# Altium PCB 滑板车模块 - 拼板.PcbDoc (part 5 of 8)
Units mm, origin at the board's own origin, x right, y up, seen from the top; angles counter-clockwise.
Board outline 16 x 13 mm, 2 copper layers (Top Layer, Bottom Layer); 420 components, 26 nets, 2088 pads, 620 vias.
Unrouted connection lines stored in the file: 114.
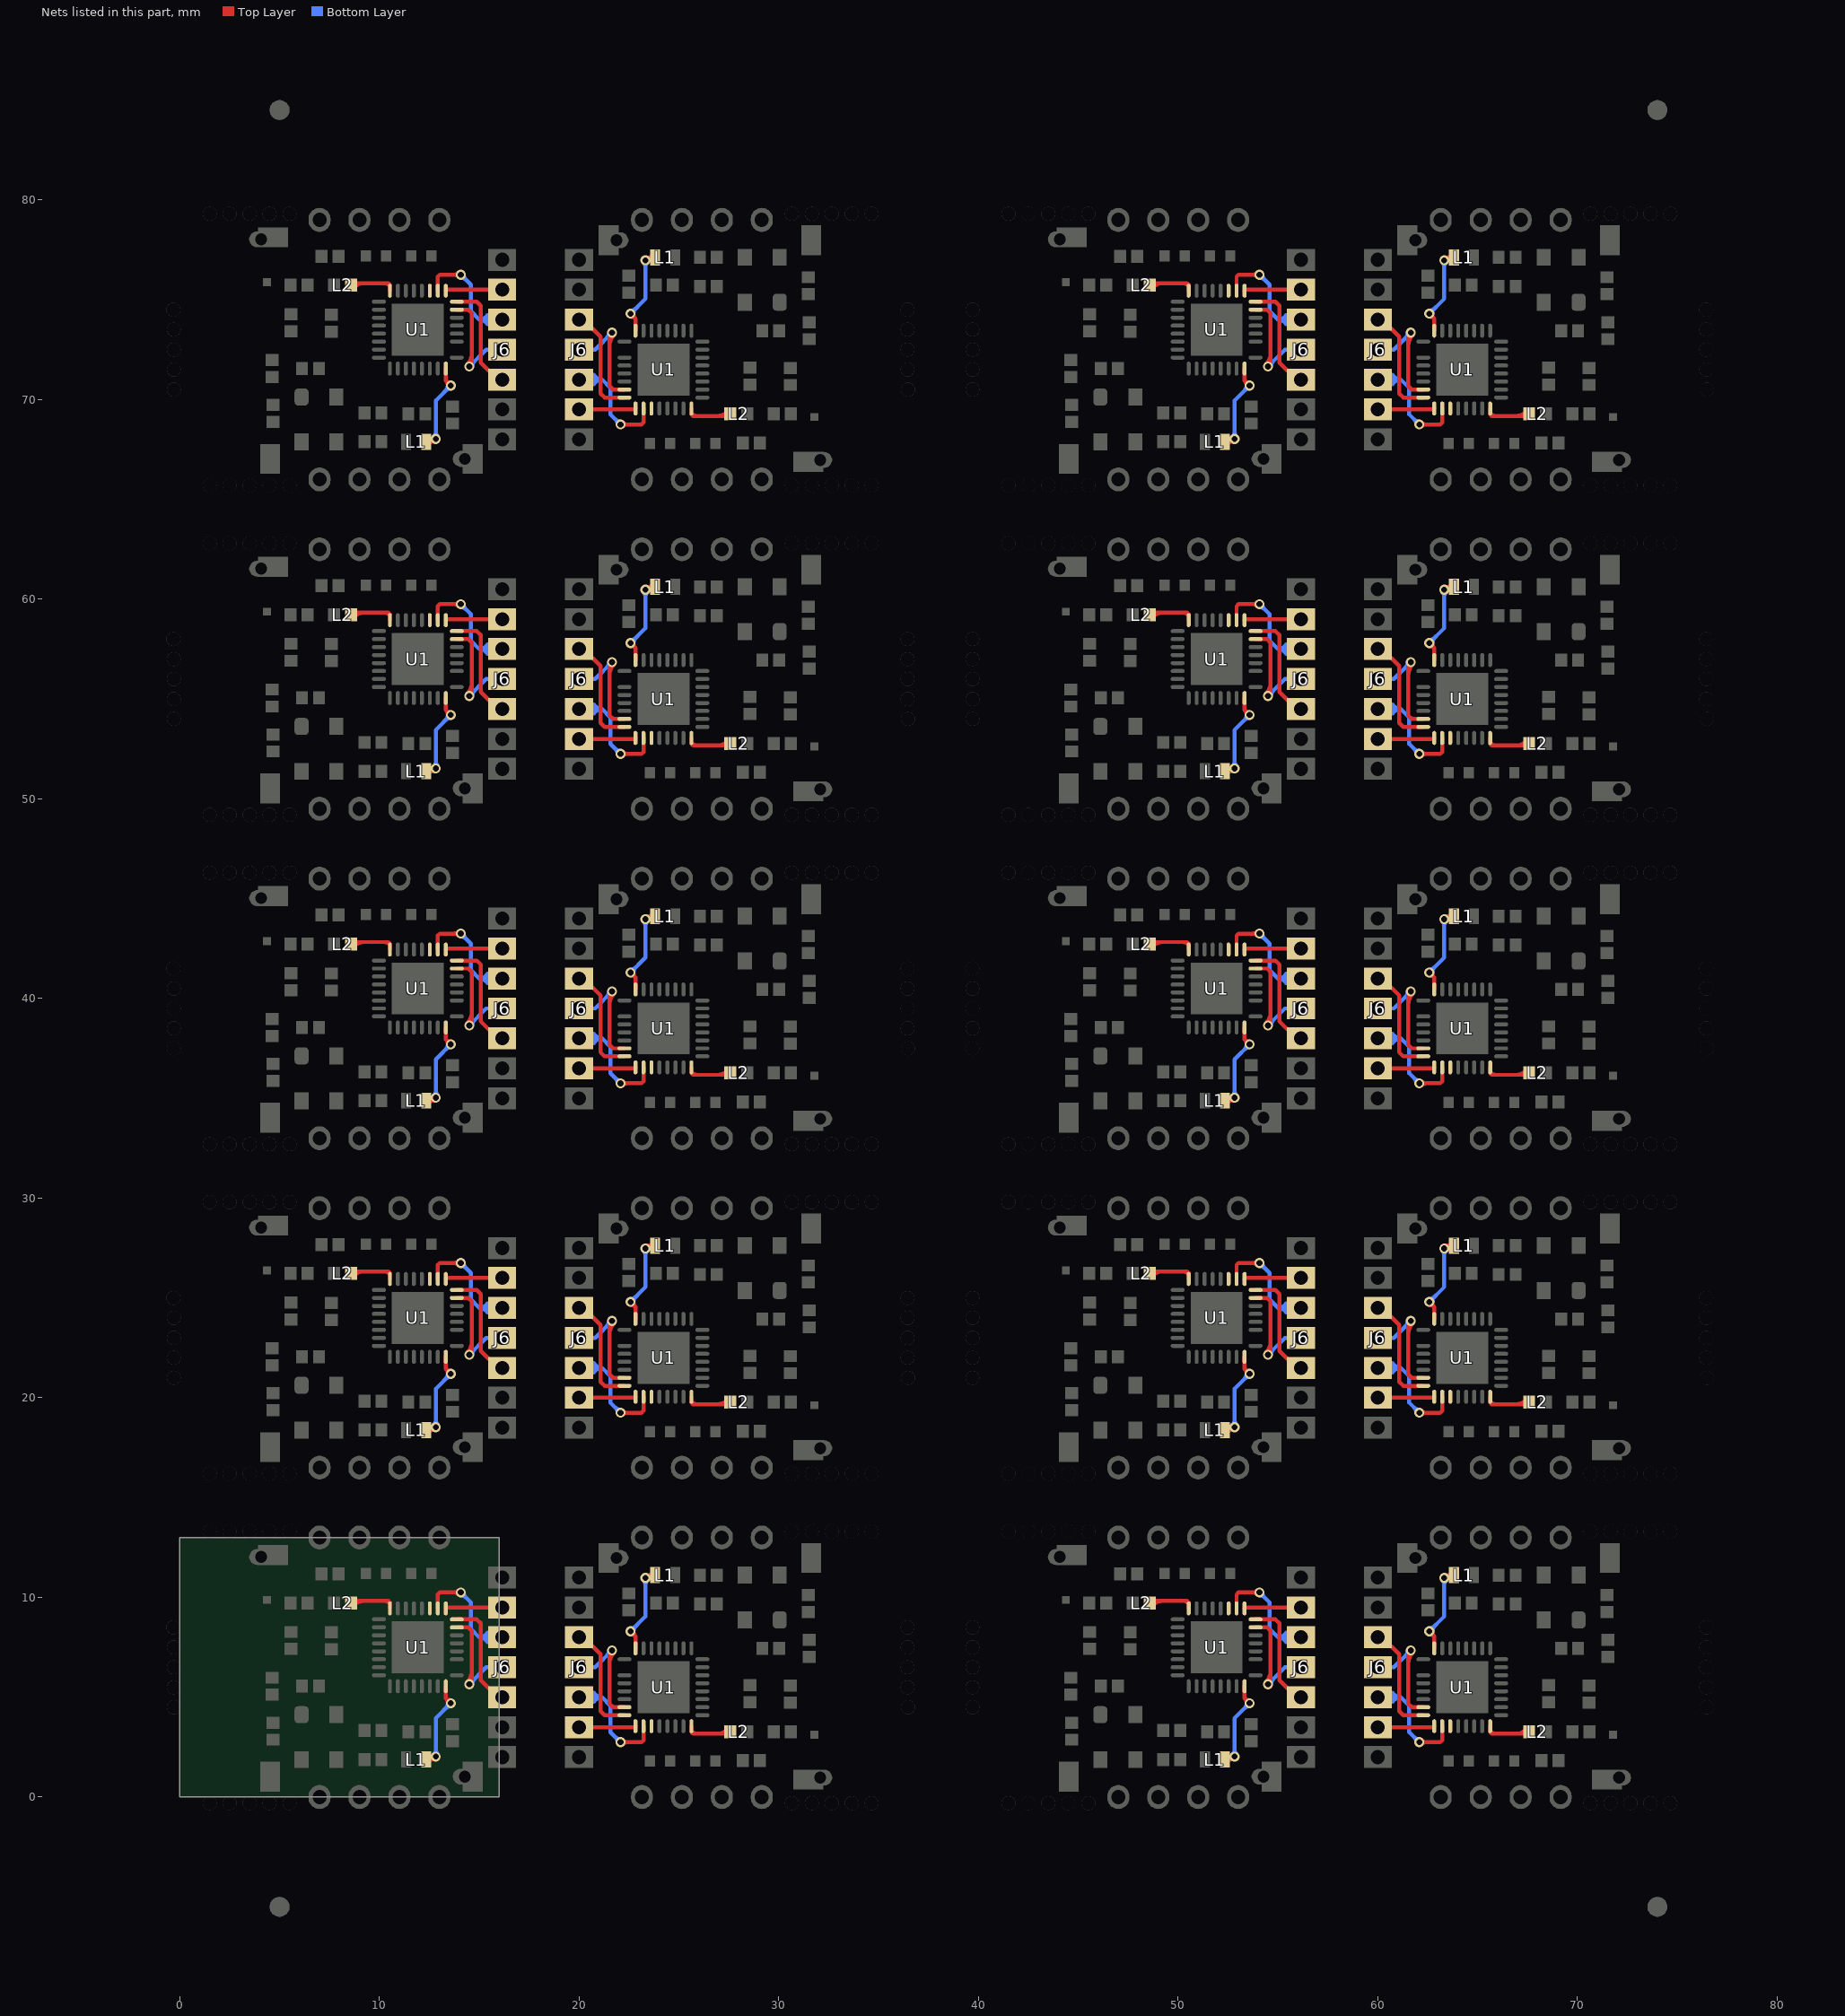
[diagram p5: the nets of this part, all layers, seen from the top]

## Via types
v1: diameter 0.5, hole 0.3, Top Layer to Bottom Layer, tented both sides, 620 vias

## Nets (pads, with @x,y where several pads share a name; then routed paths per layer and width w, separated by ;. In a path a pad name is that pad's centre, name@x,y a point inside that pad or via, vN(x,y) a via of type N, cw(c..) or ccw(c..) an arc to the next point about the centre after c; other vN are vias at no path point) (continued)
NetL1_1: L1.1 U1.24 | length 142.5
  Top Layer w0.2: L1.1@12.45,1.783 cw(c12.685,1.564) v1@12.685,1.885 ; L1.1@12.45,1.987 ccw(c12.685,2.207) v1@12.685,1.885 ; L1.1@12.45,18.283 cw(c12.685,18.064) v1@12.685,18.385 ; L1.1@12.45,18.487 ccw(c12.685,18.707) v1@12.685,18.385 ; L1.1@12.45,34.783 cw(c12.685,34.564) v1@12.685,34.885 ; L1.1@12.45,34.987 ccw(c12.685,35.207) v1@12.685,34.885 ; L1.1@12.45,51.283 cw(c12.685,51.064) v1@12.685,51.385 ; L1.1@12.45,51.487 ccw(c12.685,51.707) v1@12.685,51.385 ; L1.1@12.45,67.783 cw(c12.685,67.564) v1@12.685,67.885 ; L1.1@12.45,67.987 ccw(c12.685,68.207) v1@12.685,67.885 ; v1@12.693,2.096 cw(c12.34,2.285) L1.1@12.34,1.885 v1@12.685,1.885 ; v1@12.693,18.596 cw(c12.34,18.785) L1.1@12.34,18.385 v1@12.685,18.385 ; v1@12.693,35.096 cw(c12.34,35.285) L1.1@12.34,34.885 v1@12.685,34.885 ; v1@12.693,51.596 cw(c12.34,51.785) L1.1@12.34,51.385 v1@12.685,51.385 ; v1@12.693,68.096 cw(c12.34,68.285) L1.1@12.34,67.885 v1@12.685,67.885 ; v1(12.825,2.025) v1@12.685,1.885 ; v1(12.825,18.525) v1@12.685,18.385 ; v1(12.825,35.025) v1@12.685,34.885 ; v1(12.825,51.525) v1@12.685,51.385 ; v1(12.825,68.025) v1@12.685,67.885 ; U1.24@13.325,5.55 13.325,4.95 ; U1.24@13.325,22.05 13.325,21.45 ; U1.24@13.325,38.55 13.325,37.95 ; U1.24@13.325,55.05 13.325,54.45 ; U1.24@13.325,71.55 13.325,70.95 ; v1@13.425,4.703 ccw(c13.083,4.708) 13.325,4.95 ; v1@13.425,21.203 ccw(c13.083,21.208) 13.325,21.45 ; v1@13.425,37.703 ccw(c13.083,37.708) 13.325,37.95 ; v1@13.425,54.203 ccw(c13.083,54.208) 13.325,54.45 ; v1@13.425,70.703 ccw(c13.083,70.708) 13.325,70.95 ; v1@13.572,4.85 cw(c13.567,5.192) 13.325,4.95 ; v1@13.572,21.35 cw(c13.567,21.692) 13.325,21.45 ; v1@13.572,37.85 cw(c13.567,38.192) 13.325,37.95 ; v1@13.572,54.35 cw(c13.567,54.692) 13.325,54.45 ; v1@13.572,70.85 cw(c13.567,71.192) 13.325,70.95 ; v1(13.575,4.7) 13.325,4.95 ; v1(13.575,21.2) 13.325,21.45 ; v1(13.575,37.7) 13.325,37.95 ; v1(13.575,54.2) 13.325,54.45 ; v1(13.575,70.7) 13.325,70.95 ; v1(22.575,8.3) 22.825,8.05 ; v1(22.575,24.8) 22.825,24.55 ; v1(22.575,41.3) 22.825,41.05 ; v1(22.575,57.8) 22.825,57.55 ; v1(22.575,74.3) 22.825,74.05 ; v1@22.578,8.15 cw(c22.583,7.808) 22.825,8.05 ; v1@22.578,24.65 cw(c22.583,24.308) 22.825,24.55 ; v1@22.578,41.15 cw(c22.583,40.808) 22.825,41.05 ; v1@22.578,57.65 cw(c22.583,57.308) 22.825,57.55 ; v1@22.578,74.15 cw(c22.583,73.808) 22.825,74.05 ; v1@22.725,8.297 ccw(c23.067,8.292) 22.825,8.05 ; v1@22.725,24.797 ccw(c23.067,24.792) 22.825,24.55 ; v1@22.725,41.297 ccw(c23.067,41.292) 22.825,41.05 ; v1@22.725,57.797 ccw(c23.067,57.792) 22.825,57.55 ; v1@22.725,74.297 ccw(c23.067,74.292) 22.825,74.05 ; U1.24@22.825,7.45 22.825,8.05 ; U1.24@22.825,23.95 22.825,24.55 ; U1.24@22.825,40.45 22.825,41.05 ; U1.24@22.825,56.95 22.825,57.55 ; U1.24@22.825,73.45 22.825,74.05 ; v1(23.325,10.975) v1@23.465,11.115 ; v1(23.325,27.475) v1@23.465,27.615 ; v1(23.325,43.975) v1@23.465,44.115 ; v1(23.325,60.475) v1@23.465,60.615 ; v1(23.325,76.975) v1@23.465,77.115 ; v1@23.457,10.904 cw(c23.81,10.715) L1.1@23.81,11.115 v1@23.465,11.115 ; v1@23.457,27.404 cw(c23.81,27.215) L1.1@23.81,27.615 v1@23.465,27.615 ; v1@23.457,43.904 cw(c23.81,43.715) L1.1@23.81,44.115 v1@23.465,44.115 ; v1@23.457,60.404 cw(c23.81,60.215) L1.1@23.81,60.615 v1@23.465,60.615 ; v1@23.457,76.904 cw(c23.81,76.715) L1.1@23.81,77.115 v1@23.465,77.115 ; L1.1@23.7,11.013 ccw(c23.465,10.793) v1@23.465,11.115 ; L1.1@23.7,11.217 cw(c23.465,11.436) v1@23.465,11.115 ; L1.1@23.7,27.513 ccw(c23.465,27.293) v1@23.465,27.615 ; L1.1@23.7,27.717 cw(c23.465,27.936) v1@23.465,27.615 ; L1.1@23.7,44.013 ccw(c23.465,43.793) v1@23.465,44.115 ; L1.1@23.7,44.217 cw(c23.465,44.436) v1@23.465,44.115 ; L1.1@23.7,60.513 ccw(c23.465,60.293) v1@23.465,60.615 ; L1.1@23.7,60.717 cw(c23.465,60.936) v1@23.465,60.615 ; L1.1@23.7,77.013 ccw(c23.465,76.793) v1@23.465,77.115 ; L1.1@23.7,77.217 cw(c23.465,77.436) v1@23.465,77.115 ; L1.1@52.45,1.783 cw(c52.685,1.564) v1@52.685,1.885 ; L1.1@52.45,1.987 ccw(c52.685,2.207) v1@52.685,1.885 ; L1.1@52.45,18.283 cw(c52.685,18.064) v1@52.685,18.385 ; L1.1@52.45,18.487 ccw(c52.685,18.707) v1@52.685,18.385 ; L1.1@52.45,34.783 cw(c52.685,34.564) v1@52.685,34.885 ; L1.1@52.45,34.987 ccw(c52.685,35.207) v1@52.685,34.885 ; L1.1@52.45,51.283 cw(c52.685,51.064) v1@52.685,51.385 ; L1.1@52.45,51.487 ccw(c52.685,51.707) v1@52.685,51.385 ; L1.1@52.45,67.783 cw(c52.685,67.564) v1@52.685,67.885 ; L1.1@52.45,67.987 ccw(c52.685,68.207) v1@52.685,67.885 ; v1@52.693,2.096 cw(c52.34,2.285) L1.1@52.34,1.885 v1@52.685,1.885 ; v1@52.693,18.596 cw(c52.34,18.785) L1.1@52.34,18.385 v1@52.685,18.385 ; v1@52.693,35.096 cw(c52.34,35.285) L1.1@52.34,34.885 v1@52.685,34.885 ; v1@52.693,51.596 cw(c52.34,51.785) L1.1@52.34,51.385 v1@52.685,51.385 ; v1@52.693,68.096 cw(c52.34,68.285) L1.1@52.34,67.885 v1@52.685,67.885 ; v1(52.825,2.025) v1@52.685,1.885 ; v1(52.825,18.525) v1@52.685,18.385 ; v1(52.825,35.025) v1@52.685,34.885 ; v1(52.825,51.525) v1@52.685,51.385 ; v1(52.825,68.025) v1@52.685,67.885 ; U1.24@53.325,5.55 53.325,4.95 ; U1.24@53.325,22.05 53.325,21.45 ; U1.24@53.325,38.55 53.325,37.95 ; U1.24@53.325,55.05 53.325,54.45 ; U1.24@53.325,71.55 53.325,70.95 ; v1@53.425,4.703 ccw(c53.083,4.708) 53.325,4.95 ; v1@53.425,21.203 ccw(c53.083,21.208) 53.325,21.45 ; v1@53.425,37.703 ccw(c53.083,37.708) 53.325,37.95 ; v1@53.425,54.203 ccw(c53.083,54.208) 53.325,54.45 ; v1@53.425,70.703 ccw(c53.083,70.708) 53.325,70.95 ; v1@53.572,4.85 cw(c53.567,5.192) 53.325,4.95 ; v1@53.572,21.35 cw(c53.567,21.692) 53.325,21.45 ; v1@53.572,37.85 cw(c53.567,38.192) 53.325,37.95 ; v1@53.572,54.35 cw(c53.567,54.692) 53.325,54.45 ; v1@53.572,70.85 cw(c53.567,71.192) 53.325,70.95 ; v1(53.575,4.7) 53.325,4.95 ; v1(53.575,21.2) 53.325,21.45 ; v1(53.575,37.7) 53.325,37.95 ; v1(53.575,54.2) 53.325,54.45 ; v1(53.575,70.7) 53.325,70.95 ; v1(62.575,8.3) 62.825,8.05 ; v1(62.575,24.8) 62.825,24.55 ; v1(62.575,41.3) 62.825,41.05 ; v1(62.575,57.8) 62.825,57.55 ; v1(62.575,74.3) 62.825,74.05 ; v1@62.578,8.15 cw(c62.583,7.808) 62.825,8.05 ; v1@62.578,24.65 cw(c62.583,24.308) 62.825,24.55 ; v1@62.578,41.15 cw(c62.583,40.808) 62.825,41.05 ; v1@62.578,57.65 cw(c62.583,57.308) 62.825,57.55 ; v1@62.578,74.15 cw(c62.583,73.808) 62.825,74.05 ; v1@62.725,8.297 ccw(c63.067,8.292) 62.825,8.05 ; v1@62.725,24.797 ccw(c63.067,24.792) 62.825,24.55 ; v1@62.725,41.297 ccw(c63.067,41.292) 62.825,41.05 ; v1@62.725,57.797 ccw(c63.067,57.792) 62.825,57.55 ; v1@62.725,74.297 ccw(c63.067,74.292) 62.825,74.05 ; U1.24@62.825,7.45 62.825,8.05 ; U1.24@62.825,23.95 62.825,24.55 ; U1.24@62.825,40.45 62.825,41.05 ; U1.24@62.825,56.95 62.825,57.55 ; U1.24@62.825,73.45 62.825,74.05 ; v1(63.325,10.975) v1@63.465,11.115 ; v1(63.325,27.475) v1@63.465,27.615 ; v1(63.325,43.975) v1@63.465,44.115 ; v1(63.325,60.475) v1@63.465,60.615 ; v1(63.325,76.975) v1@63.465,77.115 ; v1@63.457,10.904 cw(c63.81,10.715) L1.1@63.81,11.115 v1@63.465,11.115 ; v1@63.457,27.404 cw(c63.81,27.215) L1.1@63.81,27.615 v1@63.465,27.615 ; v1@63.457,43.904 cw(c63.81,43.715) L1.1@63.81,44.115 v1@63.465,44.115 ; v1@63.457,60.404 cw(c63.81,60.215) L1.1@63.81,60.615 v1@63.465,60.615 ; v1@63.457,76.904 cw(c63.81,76.715) L1.1@63.81,77.115 v1@63.465,77.115 ; L1.1@63.7,11.013 ccw(c63.465,10.793) v1@63.465,11.115 ; L1.1@63.7,11.217 cw(c63.465,11.436) v1@63.465,11.115 ; L1.1@63.7,27.513 ccw(c63.465,27.293) v1@63.465,27.615 ; L1.1@63.7,27.717 cw(c63.465,27.936) v1@63.465,27.615 ; L1.1@63.7,44.013 ccw(c63.465,43.793) v1@63.465,44.115 ; L1.1@63.7,44.217 cw(c63.465,44.436) v1@63.465,44.115 ; L1.1@63.7,60.513 ccw(c63.465,60.293) v1@63.465,60.615 ; L1.1@63.7,60.717 cw(c63.465,60.936) v1@63.465,60.615 ; L1.1@63.7,77.013 ccw(c63.465,76.793) v1@63.465,77.115 ; L1.1@63.7,77.217 cw(c63.465,77.436) v1@63.465,77.115
  Bottom Layer w0.2: v1@12.719,2.131 ccw(c12.463,2.387) 12.825,2.387 ccw(c13.187,2.387) v1@12.931,2.131 ; v1@12.719,18.631 ccw(c12.463,18.887) 12.825,18.887 ccw(c13.187,18.887) v1@12.931,18.631 ; v1@12.719,35.131 ccw(c12.463,35.387) 12.825,35.387 ccw(c13.187,35.387) v1@12.931,35.131 ; v1@12.719,51.631 ccw(c12.463,51.887) 12.825,51.887 ccw(c13.187,51.887) v1@12.931,51.631 ; v1@12.719,68.131 ccw(c12.463,68.387) 12.825,68.387 ccw(c13.187,68.387) v1@12.931,68.131 ; v1(12.825,2.025) 12.825,3.95 v1(13.575,4.7) ; v1(12.825,18.525) 12.825,20.45 v1(13.575,21.2) ; v1(12.825,35.025) 12.825,36.95 v1(13.575,37.7) ; v1(12.825,51.525) 12.825,53.45 v1(13.575,54.2) ; v1(12.825,68.025) 12.825,69.95 v1(13.575,70.7) ; v1@13.425,4.7 cw(c13.063,4.7) 13.319,4.444 cw(c13.575,4.188) v1@13.575,4.55 ; v1@13.425,21.2 cw(c13.063,21.2) 13.319,20.944 cw(c13.575,20.688) v1@13.575,21.05 ; v1@13.425,37.7 cw(c13.063,37.7) 13.319,37.444 cw(c13.575,37.188) v1@13.575,37.55 ; v1@13.425,54.2 cw(c13.063,54.2) 13.319,53.944 cw(c13.575,53.688) v1@13.575,54.05 ; v1@13.425,70.7 cw(c13.063,70.7) 13.319,70.444 cw(c13.575,70.188) v1@13.575,70.55 ; v1(22.575,8.3) 23.325,9.05 v1(23.325,10.975) ; v1@22.575,8.45 ccw(c22.575,8.812) 22.831,8.556 ccw(c23.087,8.3) v1@22.725,8.3 ; v1(22.575,24.8) 23.325,25.55 v1(23.325,27.475) ; v1@22.575,24.95 ccw(c22.575,25.312) 22.831,25.056 ccw(c23.087,24.8) v1@22.725,24.8 ; v1(22.575,41.3) 23.325,42.05 v1(23.325,43.975) ; v1@22.575,41.45 ccw(c22.575,41.812) 22.831,41.556 ccw(c23.087,41.3) v1@22.725,41.3 ; v1(22.575,57.8) 23.325,58.55 v1(23.325,60.475) ; v1@22.575,57.95 ccw(c22.575,58.312) 22.831,58.056 ccw(c23.087,57.8) v1@22.725,57.8 ; v1(22.575,74.3) 23.325,75.05 v1(23.325,76.975) ; v1@22.575,74.45 ccw(c22.575,74.812) 22.831,74.556 ccw(c23.087,74.3) v1@22.725,74.3 ; v1@23.219,10.869 cw(c22.963,10.613) 23.325,10.613 cw(c23.687,10.613) v1@23.431,10.869 ; v1@23.219,27.369 cw(c22.963,27.113) 23.325,27.113 cw(c23.687,27.113) v1@23.431,27.369 ; v1@23.219,43.869 cw(c22.963,43.613) 23.325,43.613 cw(c23.687,43.613) v1@23.431,43.869 ; v1@23.219,60.369 cw(c22.963,60.113) 23.325,60.113 cw(c23.687,60.113) v1@23.431,60.369 ; v1@23.219,76.869 cw(c22.963,76.613) 23.325,76.613 cw(c23.687,76.613) v1@23.431,76.869 ; v1@52.719,2.131 ccw(c52.463,2.387) 52.825,2.387 ccw(c53.187,2.387) v1@52.931,2.131 ; v1@52.719,18.631 ccw(c52.463,18.887) 52.825,18.887 ccw(c53.187,18.887) v1@52.931,18.631 ; v1@52.719,35.131 ccw(c52.463,35.387) 52.825,35.387 ccw(c53.187,35.387) v1@52.931,35.131 ; v1@52.719,51.631 ccw(c52.463,51.887) 52.825,51.887 ccw(c53.187,51.887) v1@52.931,51.631 ; v1@52.719,68.131 ccw(c52.463,68.387) 52.825,68.387 ccw(c53.187,68.387) v1@52.931,68.131 ; v1(52.825,2.025) 52.825,3.95 v1(53.575,4.7) ; v1(52.825,18.525) 52.825,20.45 v1(53.575,21.2) ; v1(52.825,35.025) 52.825,36.95 v1(53.575,37.7) ; v1(52.825,51.525) 52.825,53.45 v1(53.575,54.2) ; v1(52.825,68.025) 52.825,69.95 v1(53.575,70.7) ; v1@53.425,4.7 cw(c53.063,4.7) 53.319,4.444 cw(c53.575,4.188) v1@53.575,4.55 ; v1@53.425,21.2 cw(c53.063,21.2) 53.319,20.944 cw(c53.575,20.688) v1@53.575,21.05 ; v1@53.425,37.7 cw(c53.063,37.7) 53.319,37.444 cw(c53.575,37.188) v1@53.575,37.55 ; v1@53.425,54.2 cw(c53.063,54.2) 53.319,53.944 cw(c53.575,53.688) v1@53.575,54.05 ; v1@53.425,70.7 cw(c53.063,70.7) 53.319,70.444 cw(c53.575,70.188) v1@53.575,70.55 ; v1(62.575,8.3) 63.325,9.05 v1(63.325,10.975) ; v1@62.575,8.45 ccw(c62.575,8.812) 62.831,8.556 ccw(c63.087,8.3) v1@62.725,8.3 ; v1(62.575,24.8) 63.325,25.55 v1(63.325,27.475) ; v1@62.575,24.95 ccw(c62.575,25.312) 62.831,25.056 ccw(c63.087,24.8) v1@62.725,24.8 ; v1(62.575,41.3) 63.325,42.05 v1(63.325,43.975) ; v1@62.575,41.45 ccw(c62.575,41.812) 62.831,41.556 ccw(c63.087,41.3) v1@62.725,41.3 ; v1(62.575,57.8) 63.325,58.55 v1(63.325,60.475) ; v1@62.575,57.95 ccw(c62.575,58.312) 62.831,58.056 ccw(c63.087,57.8) v1@62.725,57.8 ; v1(62.575,74.3) 63.325,75.05 v1(63.325,76.975) ; v1@62.575,74.45 ccw(c62.575,74.812) 62.831,74.556 ccw(c63.087,74.3) v1@62.725,74.3 ; v1@63.219,10.869 cw(c62.963,10.613) 63.325,10.613 cw(c63.687,10.613) v1@63.431,10.869 ; v1@63.219,27.369 cw(c62.963,27.113) 63.325,27.113 cw(c63.687,27.113) v1@63.431,27.369 ; v1@63.219,43.869 cw(c62.963,43.613) 63.325,43.613 cw(c63.687,43.613) v1@63.431,43.869 ; v1@63.219,60.369 cw(c62.963,60.113) 63.325,60.113 cw(c63.687,60.113) v1@63.431,60.369 ; v1@63.219,76.869 cw(c62.963,76.613) 63.325,76.613 cw(c63.687,76.613) v1@63.431,76.869
NetL2_2: L2.2 U1.8 | length 68.3
  Top Layer w0.2: L2.2@8.575,9.725 8.675,9.825 10.45,9.825 10.525,9.75 U1.8@10.525,9.45 ; L2.2@8.575,26.225 8.675,26.325 10.45,26.325 10.525,26.25 U1.8@10.525,25.95 ; L2.2@8.575,42.725 8.675,42.825 10.45,42.825 10.525,42.75 U1.8@10.525,42.45 ; L2.2@8.575,59.225 8.675,59.325 10.45,59.325 10.525,59.25 U1.8@10.525,58.95 ; L2.2@8.575,75.725 8.675,75.825 10.45,75.825 10.525,75.75 U1.8@10.525,75.45 ; L2.2@8.716,9.609 cw(c9.239,9.086) 9.239,9.825 ; L2.2@8.716,9.891 ccw(c8.877,10.052) 8.877,9.825 ; L2.2@8.716,26.109 cw(c9.239,25.586) 9.239,26.325 ; L2.2@8.716,26.391 ccw(c8.877,26.552) 8.877,26.325 ; L2.2@8.716,42.609 cw(c9.239,42.086) 9.239,42.825 ; L2.2@8.716,42.891 ccw(c8.877,43.052) 8.877,42.825 ; L2.2@8.716,59.109 cw(c9.239,58.586) 9.239,59.325 ; L2.2@8.716,59.391 ccw(c8.877,59.552) 8.877,59.325 ; L2.2@8.716,75.609 cw(c9.239,75.086) 9.239,75.825 ; L2.2@8.716,75.891 ccw(c8.877,76.052) 8.877,75.825 ; 10.223,9.825 cw(c10.223,9.398) U1.8@10.525,9.7 ; 10.223,26.325 cw(c10.223,25.898) U1.8@10.525,26.2 ; 10.223,42.825 cw(c10.223,42.398) U1.8@10.525,42.7 ; 10.223,59.325 cw(c10.223,58.898) U1.8@10.525,59.2 ; 10.223,75.825 cw(c10.223,75.398) U1.8@10.525,75.7 ; U1.8@25.625,3.3 ccw(c25.927,3.602) 25.927,3.175 ; U1.8@25.625,3.55 25.625,3.25 25.7,3.175 27.475,3.175 L2.2@27.575,3.275 ; U1.8@25.625,19.8 ccw(c25.927,20.102) 25.927,19.675 ; U1.8@25.625,20.05 25.625,19.75 25.7,19.675 27.475,19.675 L2.2@27.575,19.775 ; U1.8@25.625,36.3 ccw(c25.927,36.602) 25.927,36.175 ; U1.8@25.625,36.55 25.625,36.25 25.7,36.175 27.475,36.175 L2.2@27.575,36.275 ; U1.8@25.625,52.8 ccw(c25.927,53.102) 25.927,52.675 ; U1.8@25.625,53.05 25.625,52.75 25.7,52.675 27.475,52.675 L2.2@27.575,52.775 ; U1.8@25.625,69.3 ccw(c25.927,69.602) 25.927,69.175 ; U1.8@25.625,69.55 25.625,69.25 25.7,69.175 27.475,69.175 L2.2@27.575,69.275 ; 26.911,3.175 ccw(c26.911,3.914) L2.2@27.434,3.391 ; 26.911,19.675 ccw(c26.911,20.414) L2.2@27.434,19.891 ; 26.911,36.175 ccw(c26.911,36.914) L2.2@27.434,36.391 ; 26.911,52.675 ccw(c26.911,53.414) L2.2@27.434,52.891 ; 26.911,69.175 ccw(c26.911,69.914) L2.2@27.434,69.391 ; 27.273,3.175 cw(c27.273,2.948) L2.2@27.434,3.109 ; 27.273,19.675 cw(c27.273,19.448) L2.2@27.434,19.609 ; 27.273,36.175 cw(c27.273,35.948) L2.2@27.434,36.109 ; 27.273,52.675 cw(c27.273,52.448) L2.2@27.434,52.609 ; 27.273,69.175 cw(c27.273,68.948) L2.2@27.434,69.109 ; L2.2@48.575,9.725 48.675,9.825 50.45,9.825 50.525,9.75 U1.8@50.525,9.45 ; L2.2@48.575,26.225 48.675,26.325 50.45,26.325 50.525,26.25 U1.8@50.525,25.95 ; L2.2@48.575,42.725 48.675,42.825 50.45,42.825 50.525,42.75 U1.8@50.525,42.45 ; L2.2@48.575,59.225 48.675,59.325 50.45,59.325 50.525,59.25 U1.8@50.525,58.95 ; L2.2@48.575,75.725 48.675,75.825 50.45,75.825 50.525,75.75 U1.8@50.525,75.45 ; L2.2@48.716,9.609 cw(c49.239,9.086) 49.239,9.825 ; L2.2@48.716,9.891 ccw(c48.877,10.052) 48.877,9.825 ; L2.2@48.716,26.109 cw(c49.239,25.586) 49.239,26.325 ; L2.2@48.716,26.391 ccw(c48.877,26.552) 48.877,26.325 ; L2.2@48.716,42.609 cw(c49.239,42.086) 49.239,42.825 ; L2.2@48.716,42.891 ccw(c48.877,43.052) 48.877,42.825 ; L2.2@48.716,59.109 cw(c49.239,58.586) 49.239,59.325 ; L2.2@48.716,59.391 ccw(c48.877,59.552) 48.877,59.325 ; L2.2@48.716,75.609 cw(c49.239,75.086) 49.239,75.825 ; L2.2@48.716,75.891 ccw(c48.877,76.052) 48.877,75.825 ; 50.223,9.825 cw(c50.223,9.398) U1.8@50.525,9.7 ; 50.223,26.325 cw(c50.223,25.898) U1.8@50.525,26.2 ; 50.223,42.825 cw(c50.223,42.398) U1.8@50.525,42.7 ; 50.223,59.325 cw(c50.223,58.898) U1.8@50.525,59.2 ; 50.223,75.825 cw(c50.223,75.398) U1.8@50.525,75.7 ; U1.8@65.625,3.3 ccw(c65.927,3.602) 65.927,3.175 ; U1.8@65.625,3.55 65.625,3.25 65.7,3.175 67.475,3.175 L2.2@67.575,3.275 ; U1.8@65.625,19.8 ccw(c65.927,20.102) 65.927,19.675 ; U1.8@65.625,20.05 65.625,19.75 65.7,19.675 67.475,19.675 L2.2@67.575,19.775 ; U1.8@65.625,36.3 ccw(c65.927,36.602) 65.927,36.175 ; U1.8@65.625,36.55 65.625,36.25 65.7,36.175 67.475,36.175 L2.2@67.575,36.275 ; U1.8@65.625,52.8 ccw(c65.927,53.102) 65.927,52.675 ; U1.8@65.625,53.05 65.625,52.75 65.7,52.675 67.475,52.675 L2.2@67.575,52.775 ; U1.8@65.625,69.3 ccw(c65.927,69.602) 65.927,69.175 ; U1.8@65.625,69.55 65.625,69.25 65.7,69.175 67.475,69.175 L2.2@67.575,69.275 ; 66.911,3.175 ccw(c66.911,3.914) L2.2@67.434,3.391 ; 66.911,19.675 ccw(c66.911,20.414) L2.2@67.434,19.891 ; 66.911,36.175 ccw(c66.911,36.914) L2.2@67.434,36.391 ; 66.911,52.675 ccw(c66.911,53.414) L2.2@67.434,52.891 ; 66.911,69.175 ccw(c66.911,69.914) L2.2@67.434,69.391 ; 67.273,3.175 cw(c67.273,2.948) L2.2@67.434,3.109 ; 67.273,19.675 cw(c67.273,19.448) L2.2@67.434,19.609 ; 67.273,36.175 cw(c67.273,35.948) L2.2@67.434,36.109 ; 67.273,52.675 cw(c67.273,52.448) L2.2@67.434,52.609 ; 67.273,69.175 cw(c67.273,68.948) L2.2@67.434,69.109
P03: U1.3
P04: J6.3 U1.2 | length 156.2
  Top Layer w0.2: U1.2@12.925,9.45 12.925,10.15 13.025,10.25 v1(14.075,10.25) ; U1.2@12.925,25.95 12.925,26.65 13.025,26.75 v1(14.075,26.75) ; U1.2@12.925,42.45 12.925,43.15 13.025,43.25 v1(14.075,43.25) ; U1.2@12.925,58.95 12.925,59.65 13.025,59.75 v1(14.075,59.75) ; U1.2@12.925,75.45 12.925,76.15 13.025,76.25 v1(14.075,76.25) ; v1@13.969,10.144 ccw(c13.713,9.888) 13.713,10.25 ccw(c13.713,10.612) v1@13.969,10.356 ; v1@13.969,26.644 ccw(c13.713,26.388) 13.713,26.75 ccw(c13.713,27.112) v1@13.969,26.856 ; v1@13.969,43.144 ccw(c13.713,42.888) 13.713,43.25 ccw(c13.713,43.612) v1@13.969,43.356 ; v1@13.969,59.644 ccw(c13.713,59.388) 13.713,59.75 ccw(c13.713,60.112) v1@13.969,59.856 ; v1@13.969,76.144 ccw(c13.713,75.888) 13.713,76.25 ccw(c13.713,76.612) v1@13.969,76.356 ; v1(22.075,2.75) 23.125,2.75 23.225,2.85 U1.2@23.225,3.55 ; v1(22.075,19.25) 23.125,19.25 23.225,19.35 U1.2@23.225,20.05 ; v1(22.075,35.75) 23.125,35.75 23.225,35.85 U1.2@23.225,36.55 ; v1(22.075,52.25) 23.125,52.25 23.225,52.35 U1.2@23.225,53.05 ; v1(22.075,68.75) 23.125,68.75 23.225,68.85 U1.2@23.225,69.55 ; v1@22.181,2.644 cw(c22.437,2.388) 22.437,2.75 cw(c22.437,3.112) v1@22.181,2.856 ; v1@22.181,19.144 cw(c22.437,18.888) 22.437,19.25 cw(c22.437,19.612) v1@22.181,19.356 ; v1@22.181,35.644 cw(c22.437,35.388) 22.437,35.75 cw(c22.437,36.112) v1@22.181,35.856 ; v1@22.181,52.144 cw(c22.437,51.888) 22.437,52.25 cw(c22.437,52.612) v1@22.181,52.356 ; v1@22.181,68.644 cw(c22.437,68.388) 22.437,68.75 cw(c22.437,69.112) v1@22.181,68.856 ; U1.2@52.925,9.45 52.925,10.15 53.025,10.25 v1(54.075,10.25) ; U1.2@52.925,25.95 52.925,26.65 53.025,26.75 v1(54.075,26.75) ; U1.2@52.925,42.45 52.925,43.15 53.025,43.25 v1(54.075,43.25) ; U1.2@52.925,58.95 52.925,59.65 53.025,59.75 v1(54.075,59.75) ; U1.2@52.925,75.45 52.925,76.15 53.025,76.25 v1(54.075,76.25) ; v1@53.969,10.144 ccw(c53.713,9.888) 53.713,10.25 ccw(c53.713,10.612) v1@53.969,10.356 ; v1@53.969,26.644 ccw(c53.713,26.388) 53.713,26.75 ccw(c53.713,27.112) v1@53.969,26.856 ; v1@53.969,43.144 ccw(c53.713,42.888) 53.713,43.25 ccw(c53.713,43.612) v1@53.969,43.356 ; v1@53.969,59.644 ccw(c53.713,59.388) 53.713,59.75 ccw(c53.713,60.112) v1@53.969,59.856 ; v1@53.969,76.144 ccw(c53.713,75.888) 53.713,76.25 ccw(c53.713,76.612) v1@53.969,76.356 ; v1(62.075,2.75) 63.125,2.75 63.225,2.85 U1.2@63.225,3.55 ; v1(62.075,19.25) 63.125,19.25 63.225,19.35 U1.2@63.225,20.05 ; v1(62.075,35.75) 63.125,35.75 63.225,35.85 U1.2@63.225,36.55 ; v1(62.075,52.25) 63.125,52.25 63.225,52.35 U1.2@63.225,53.05 ; v1(62.075,68.75) 63.125,68.75 63.225,68.85 U1.2@63.225,69.55 ; v1@62.181,2.644 cw(c62.437,2.388) 62.437,2.75 cw(c62.437,3.112) v1@62.181,2.856 ; v1@62.181,19.144 cw(c62.437,18.888) 62.437,19.25 cw(c62.437,19.612) v1@62.181,19.356 ; v1@62.181,35.644 cw(c62.437,35.388) 62.437,35.75 cw(c62.437,36.112) v1@62.181,35.856 ; v1@62.181,52.144 cw(c62.437,51.888) 62.437,52.25 cw(c62.437,52.612) v1@62.181,52.356 ; v1@62.181,68.644 cw(c62.437,68.388) 62.437,68.75 cw(c62.437,69.112) v1@62.181,68.856
  Bottom Layer w0.2: v1@14.075,10.1 cw(c14.075,9.738) 14.331,9.994 cw(c14.587,10.25) v1@14.225,10.25 ; v1(14.075,10.25) 14.575,9.75 14.575,8.425 15,8 ; v1@14.075,26.6 cw(c14.075,26.238) 14.331,26.494 cw(c14.587,26.75) v1@14.225,26.75 ; v1(14.075,26.75) 14.575,26.25 14.575,24.925 15,24.5 ; v1@14.075,43.1 cw(c14.075,42.738) 14.331,42.994 cw(c14.587,43.25) v1@14.225,43.25 ; v1(14.075,43.25) 14.575,42.75 14.575,41.425 15,41 ; v1@14.075,59.6 cw(c14.075,59.238) 14.331,59.494 cw(c14.587,59.75) v1@14.225,59.75 ; v1(14.075,59.75) 14.575,59.25 14.575,57.925 15,57.5 ; v1@14.075,76.1 cw(c14.075,75.738) 14.331,75.994 cw(c14.587,76.25) v1@14.225,76.25 ; v1(14.075,76.25) 14.575,75.75 14.575,74.425 15,74 ; J6.3@15.415,7.766 ccw(c15,7.514) 15,8 ; J6.3@15.415,8.234 cw(c15,8.486) 15,8 ; J6.3@15.415,24.266 ccw(c15,24.014) 15,24.5 ; J6.3@15.415,24.734 cw(c15,24.986) 15,24.5 ; J6.3@15.415,40.766 ccw(c15,40.514) 15,41 ; J6.3@15.415,41.234 cw(c15,41.486) 15,41 ; J6.3@15.415,57.266 ccw(c15,57.014) 15,57.5 ; J6.3@15.415,57.734 cw(c15,57.986) 15,57.5 ; J6.3@15.415,73.766 ccw(c15,73.514) 15,74 ; J6.3@15.415,74.234 cw(c15,74.486) 15,74 ; J6.3@16.15,8 15,8 ; J6.3@16.15,24.5 15,24.5 ; J6.3@16.15,41 15,41 ; J6.3@16.15,57.5 15,57.5 ; J6.3@16.15,74 15,74 ; J6.3@20,5 21.15,5 ; J6.3@20,21.5 21.15,21.5 ; J6.3@20,38 21.15,38 ; J6.3@20,54.5 21.15,54.5 ; J6.3@20,71 21.15,71 ; J6.3@20.735,4.766 cw(c21.15,4.514) 21.15,5 ; J6.3@20.735,5.234 ccw(c21.15,5.486) 21.15,5 ; J6.3@20.735,21.266 cw(c21.15,21.014) 21.15,21.5 ; J6.3@20.735,21.734 ccw(c21.15,21.986) 21.15,21.5 ; J6.3@20.735,37.766 cw(c21.15,37.514) 21.15,38 ; J6.3@20.735,38.234 ccw(c21.15,38.486) 21.15,38 ; J6.3@20.735,54.266 cw(c21.15,54.014) 21.15,54.5 ; J6.3@20.735,54.734 ccw(c21.15,54.986) 21.15,54.5 ; J6.3@20.735,70.766 cw(c21.15,70.514) 21.15,71 ; J6.3@20.735,71.234 ccw(c21.15,71.486) 21.15,71 ; v1@21.925,2.75 ccw(c21.563,2.75) 21.819,3.006 ccw(c22.075,3.262) v1@22.075,2.9 ; v1@21.925,19.25 ccw(c21.563,19.25) 21.819,19.506 ccw(c22.075,19.762) v1@22.075,19.4 ; v1@21.925,35.75 ccw(c21.563,35.75) 21.819,36.006 ccw(c22.075,36.262) v1@22.075,35.9 ; v1@21.925,52.25 ccw(c21.563,52.25) 21.819,52.506 ccw(c22.075,52.762) v1@22.075,52.4 ; v1@21.925,68.75 ccw(c21.563,68.75) 21.819,69.006 ccw(c22.075,69.262) v1@22.075,68.9 ; v1(22.075,2.75) 21.575,3.25 21.575,4.575 21.15,5 ; v1(22.075,19.25) 21.575,19.75 21.575,21.075 21.15,21.5 ; v1(22.075,35.75) 21.575,36.25 21.575,37.575 21.15,38 ; v1(22.075,52.25) 21.575,52.75 21.575,54.075 21.15,54.5 ; v1(22.075,68.75) 21.575,69.25 21.575,70.575 21.15,71 ; v1@54.075,10.1 cw(c54.075,9.738) 54.331,9.994 cw(c54.587,10.25) v1@54.225,10.25 ; v1(54.075,10.25) 54.575,9.75 54.575,8.425 55,8 ; v1@54.075,26.6 cw(c54.075,26.238) 54.331,26.494 cw(c54.587,26.75) v1@54.225,26.75 ; v1(54.075,26.75) 54.575,26.25 54.575,24.925 55,24.5 ; v1@54.075,43.1 cw(c54.075,42.738) 54.331,42.994 cw(c54.587,43.25) v1@54.225,43.25 ; v1(54.075,43.25) 54.575,42.75 54.575,41.425 55,41 ; v1@54.075,59.6 cw(c54.075,59.238) 54.331,59.494 cw(c54.587,59.75) v1@54.225,59.75 ; v1(54.075,59.75) 54.575,59.25 54.575,57.925 55,57.5 ; v1@54.075,76.1 cw(c54.075,75.738) 54.331,75.994 cw(c54.587,76.25) v1@54.225,76.25 ; v1(54.075,76.25) 54.575,75.75 54.575,74.425 55,74 ; J6.3@55.415,7.766 ccw(c55,7.514) 55,8 ; J6.3@55.415,8.234 cw(c55,8.486) 55,8 ; J6.3@55.415,24.266 ccw(c55,24.014) 55,24.5 ; J6.3@55.415,24.734 cw(c55,24.986) 55,24.5 ; J6.3@55.415,40.766 ccw(c55,40.514) 55,41 ; J6.3@55.415,41.234 cw(c55,41.486) 55,41 ; J6.3@55.415,57.266 ccw(c55,57.014) 55,57.5 ; J6.3@55.415,57.734 cw(c55,57.986) 55,57.5 ; J6.3@55.415,73.766 ccw(c55,73.514) 55,74 ; J6.3@55.415,74.234 cw(c55,74.486) 55,74 ; J6.3@56.15,8 55,8 ; J6.3@56.15,24.5 55,24.5 ; J6.3@56.15,41 55,41 ; J6.3@56.15,57.5 55,57.5 ; J6.3@56.15,74 55,74 ; J6.3@60,5 61.15,5 ; J6.3@60,21.5 61.15,21.5 ; J6.3@60,38 61.15,38 ; J6.3@60,54.5 61.15,54.5 ; J6.3@60,71 61.15,71 ; J6.3@60.735,4.766 cw(c61.15,4.514) 61.15,5 ; J6.3@60.735,5.234 ccw(c61.15,5.486) 61.15,5 ; J6.3@60.735,21.266 cw(c61.15,21.014) 61.15,21.5 ; J6.3@60.735,21.734 ccw(c61.15,21.986) 61.15,21.5 ; J6.3@60.735,37.766 cw(c61.15,37.514) 61.15,38 ; J6.3@60.735,38.234 ccw(c61.15,38.486) 61.15,38 ; J6.3@60.735,54.266 cw(c61.15,54.014) 61.15,54.5 ; J6.3@60.735,54.734 ccw(c61.15,54.986) 61.15,54.5 ; J6.3@60.735,70.766 cw(c61.15,70.514) 61.15,71 ; J6.3@60.735,71.234 ccw(c61.15,71.486) 61.15,71 ; v1@61.925,2.75 ccw(c61.563,2.75) 61.819,3.006 ccw(c62.075,3.262) v1@62.075,2.9 ; v1@61.925,19.25 ccw(c61.563,19.25) 61.819,19.506 ccw(c62.075,19.762) v1@62.075,19.4 ; v1@61.925,35.75 ccw(c61.563,35.75) 61.819,36.006 ccw(c62.075,36.262) v1@62.075,35.9 ; v1@61.925,52.25 ccw(c61.563,52.25) 61.819,52.506 ccw(c62.075,52.762) v1@62.075,52.4 ; v1@61.925,68.75 ccw(c61.563,68.75) 61.819,69.006 ccw(c62.075,69.262) v1@62.075,68.9 ; v1(62.075,2.75) 61.575,3.25 61.575,4.575 61.15,5 ; v1(62.075,19.25) 61.575,19.75 61.575,21.075 61.15,21.5 ; v1(62.075,35.75) 61.575,36.25 61.575,37.575 61.15,38 ; v1(62.075,52.25) 61.575,52.75 61.575,54.075 61.15,54.5 ; v1(62.075,68.75) 61.575,69.25 61.575,70.575 61.15,71
P05/TOUCH: J6.2 U1.1 | length 59.6
  Top Layer w0.2: 13.446,9.5 ccw(c13.446,9.329) U1.1@13.325,9.45 13.375,9.5 J6.2@16.15,9.5 ; 13.446,26 ccw(c13.446,25.829) U1.1@13.325,25.95 13.375,26 J6.2@16.15,26 ; 13.446,42.5 ccw(c13.446,42.329) U1.1@13.325,42.45 13.375,42.5 J6.2@16.15,42.5 ; 13.446,59 ccw(c13.446,58.829) U1.1@13.325,58.95 13.375,59 J6.2@16.15,59 ; 13.446,75.5 ccw(c13.446,75.329) U1.1@13.325,75.45 13.375,75.5 J6.2@16.15,75.5 ; J6.2@20,3.5 22.775,3.5 U1.1@22.825,3.55 cw(c22.704,3.671) 22.704,3.5 ; J6.2@20,20 22.775,20 U1.1@22.825,20.05 cw(c22.704,20.171) 22.704,20 ; J6.2@20,36.5 22.775,36.5 U1.1@22.825,36.55 cw(c22.704,36.671) 22.704,36.5 ; J6.2@20,53 22.775,53 U1.1@22.825,53.05 cw(c22.704,53.171) 22.704,53 ; J6.2@20,69.5 22.775,69.5 U1.1@22.825,69.55 cw(c22.704,69.671) 22.704,69.5 ; 53.446,9.5 ccw(c53.446,9.329) U1.1@53.325,9.45 53.375,9.5 J6.2@56.15,9.5 ; 53.446,26 ccw(c53.446,25.829) U1.1@53.325,25.95 53.375,26 J6.2@56.15,26 ; 53.446,42.5 ccw(c53.446,42.329) U1.1@53.325,42.45 53.375,42.5 J6.2@56.15,42.5 ; 53.446,59 ccw(c53.446,58.829) U1.1@53.325,58.95 53.375,59 J6.2@56.15,59 ; 53.446,75.5 ccw(c53.446,75.329) U1.1@53.325,75.45 53.375,75.5 J6.2@56.15,75.5 ; J6.2@60,3.5 62.775,3.5 U1.1@62.825,3.55 cw(c62.704,3.671) 62.704,3.5 ; J6.2@60,20 62.775,20 U1.1@62.825,20.05 cw(c62.704,20.171) 62.704,20 ; J6.2@60,36.5 62.775,36.5 U1.1@62.825,36.55 cw(c62.704,36.671) 62.704,36.5 ; J6.2@60,53 62.775,53 U1.1@62.825,53.05 cw(c62.704,53.171) 62.704,53 ; J6.2@60,69.5 62.775,69.5 U1.1@62.825,69.55 cw(c62.704,69.671) 62.704,69.5
P06: J6.5 U1.32 | length 111.2
  Top Layer w0.2: U1.32@13.875,8.9 14.875,8.9 15.075,8.7 15.075,5.85 15.925,5 J6.5@16.15,5 ; U1.32@13.875,25.4 14.875,25.4 15.075,25.2 15.075,22.35 15.925,21.5 J6.5@16.15,21.5 ; U1.32@13.875,41.9 14.875,41.9 15.075,41.7 15.075,38.85 15.925,38 J6.5@16.15,38 ; U1.32@13.875,58.4 14.875,58.4 15.075,58.2 15.075,55.35 15.925,54.5 J6.5@16.15,54.5 ; U1.32@13.875,74.9 14.875,74.9 15.075,74.7 15.075,71.85 15.925,71 J6.5@16.15,71 ; J6.5@20,8 20.225,8 21.075,7.15 21.075,4.3 21.275,4.1 U1.32@22.275,4.1 ; J6.5@20,24.5 20.225,24.5 21.075,23.65 21.075,20.8 21.275,20.6 U1.32@22.275,20.6 ; J6.5@20,41 20.225,41 21.075,40.15 21.075,37.3 21.275,37.1 U1.32@22.275,37.1 ; J6.5@20,57.5 20.225,57.5 21.075,56.65 21.075,53.8 21.275,53.6 U1.32@22.275,53.6 ; J6.5@20,74 20.225,74 21.075,73.15 21.075,70.3 21.275,70.1 U1.32@22.275,70.1 ; U1.32@53.875,8.9 54.875,8.9 55.075,8.7 55.075,5.85 55.925,5 J6.5@56.15,5 ; U1.32@53.875,25.4 54.875,25.4 55.075,25.2 55.075,22.35 55.925,21.5 J6.5@56.15,21.5 ; U1.32@53.875,41.9 54.875,41.9 55.075,41.7 55.075,38.85 55.925,38 J6.5@56.15,38 ; U1.32@53.875,58.4 54.875,58.4 55.075,58.2 55.075,55.35 55.925,54.5 J6.5@56.15,54.5 ; U1.32@53.875,74.9 54.875,74.9 55.075,74.7 55.075,71.85 55.925,71 J6.5@56.15,71 ; J6.5@60,8 60.225,8 61.075,7.15 61.075,4.3 61.275,4.1 U1.32@62.275,4.1 ; J6.5@60,24.5 60.225,24.5 61.075,23.65 61.075,20.8 61.275,20.6 U1.32@62.275,20.6 ; J6.5@60,41 60.225,41 61.075,40.15 61.075,37.3 61.275,37.1 U1.32@62.275,37.1 ; J6.5@60,57.5 60.225,57.5 61.075,56.65 61.075,53.8 61.275,53.6 U1.32@62.275,53.6 ; J6.5@60,74 60.225,74 61.075,73.15 61.075,70.3 61.275,70.1 U1.32@62.275,70.1
P07: J6.4 U1.31 | length 134.8
  Top Layer w0.2: U1.31@13.875,8.5 14.45,8.5 14.625,8.325 14.625,5.775 v1(14.5,5.65) ; U1.31@13.875,25 14.45,25 14.625,24.825 14.625,22.275 v1(14.5,22.15) ; U1.31@13.875,41.5 14.45,41.5 14.625,41.325 14.625,38.775 v1(14.5,38.65) ; U1.31@13.875,58 14.45,58 14.625,57.825 14.625,55.275 v1(14.5,55.15) ; U1.31@13.875,74.5 14.45,74.5 14.625,74.325 14.625,71.775 v1(14.5,71.65) ; v1@14.394,5.756 ccw(c13.836,6.314) 14.625,6.314 ; v1@14.394,22.256 ccw(c13.836,22.814) 14.625,22.814 ; v1@14.394,38.756 ccw(c13.836,39.314) 14.625,39.314 ; v1@14.394,55.256 ccw(c13.836,55.814) 14.625,55.814 ; v1@14.394,71.756 ccw(c13.836,72.314) 14.625,72.314 ; 21.525,6.686 cw(c22.314,6.686) v1@21.756,7.244 ; 21.525,23.186 cw(c22.314,23.186) v1@21.756,23.744 ; 21.525,39.686 cw(c22.314,39.686) v1@21.756,40.244 ; 21.525,56.186 cw(c22.314,56.186) v1@21.756,56.744 ; 21.525,72.686 cw(c22.314,72.686) v1@21.756,73.244 ; v1(21.65,7.35) 21.525,7.225 21.525,4.675 21.7,4.5 U1.31@22.275,4.5 ; v1(21.65,23.85) 21.525,23.725 21.525,21.175 21.7,21 U1.31@22.275,21 ; v1(21.65,40.35) 21.525,40.225 21.525,37.675 21.7,37.5 U1.31@22.275,37.5 ; v1(21.65,56.85) 21.525,56.725 21.525,54.175 21.7,54 U1.31@22.275,54 ; v1(21.65,73.35) 21.525,73.225 21.525,70.675 21.7,70.5 U1.31@22.275,70.5 ; U1.31@53.875,8.5 54.45,8.5 54.625,8.325 54.625,5.775 v1(54.5,5.65) ; U1.31@53.875,25 54.45,25 54.625,24.825 54.625,22.275 v1(54.5,22.15) ; U1.31@53.875,41.5 54.45,41.5 54.625,41.325 54.625,38.775 v1(54.5,38.65) ; U1.31@53.875,58 54.45,58 54.625,57.825 54.625,55.275 v1(54.5,55.15) ; U1.31@53.875,74.5 54.45,74.5 54.625,74.325 54.625,71.775 v1(54.5,71.65) ; v1@54.394,5.756 ccw(c53.836,6.314) 54.625,6.314 ; v1@54.394,22.256 ccw(c53.836,22.814) 54.625,22.814 ; v1@54.394,38.756 ccw(c53.836,39.314) 54.625,39.314 ; v1@54.394,55.256 ccw(c53.836,55.814) 54.625,55.814 ; v1@54.394,71.756 ccw(c53.836,72.314) 54.625,72.314 ; 61.525,6.686 cw(c62.314,6.686) v1@61.756,7.244 ; 61.525,23.186 cw(c62.314,23.186) v1@61.756,23.744 ; 61.525,39.686 cw(c62.314,39.686) v1@61.756,40.244 ; 61.525,56.186 cw(c62.314,56.186) v1@61.756,56.744 ; 61.525,72.686 cw(c62.314,72.686) v1@61.756,73.244 ; v1(61.65,7.35) 61.525,7.225 61.525,4.675 61.7,4.5 U1.31@62.275,4.5 ; v1(61.65,23.85) 61.525,23.725 61.525,21.175 61.7,21 U1.31@62.275,21 ; v1(61.65,40.35) 61.525,40.225 61.525,37.675 61.7,37.5 U1.31@62.275,37.5 ; v1(61.65,56.85) 61.525,56.725 61.525,54.175 61.7,54 U1.31@62.275,54 ; v1(61.65,73.35) 61.525,73.225 61.525,70.675 61.7,70.5 U1.31@62.275,70.5
  Bottom Layer w0.2: v1(14.5,5.65) 15.35,6.5 J6.4@16.15,6.5 ; v1@14.5,5.8 ccw(c14.5,6.162) 14.756,5.906 ccw(c15.012,5.65) v1@14.65,5.65 ; v1(14.5,22.15) 15.35,23 J6.4@16.15,23 ; v1@14.5,22.3 ccw(c14.5,22.662) 14.756,22.406 ccw(c15.012,22.15) v1@14.65,22.15 ; v1(14.5,38.65) 15.35,39.5 J6.4@16.15,39.5 ; v1@14.5,38.8 ccw(c14.5,39.162) 14.756,38.906 ccw(c15.012,38.65) v1@14.65,38.65 ; v1(14.5,55.15) 15.35,56 J6.4@16.15,56 ; v1@14.5,55.3 ccw(c14.5,55.662) 14.756,55.406 ccw(c15.012,55.15) v1@14.65,55.15 ; v1(14.5,71.65) 15.35,72.5 J6.4@16.15,72.5 ; v1@14.5,71.8 ccw(c14.5,72.162) 14.756,71.906 ccw(c15.012,71.65) v1@14.65,71.65 ; J6.4@20,6.5 20.8,6.5 v1(21.65,7.35) ; J6.4@20,23 20.8,23 v1(21.65,23.85) ; J6.4@20,39.5 20.8,39.5 v1(21.65,40.35) ; J6.4@20,56 20.8,56 v1(21.65,56.85) ; J6.4@20,72.5 20.8,72.5 v1(21.65,73.35) ; v1@21.5,7.35 cw(c21.138,7.35) 21.394,7.094 cw(c21.65,6.838) v1@21.65,7.2 ; v1@21.5,23.85 cw(c21.138,23.85) 21.394,23.594 cw(c21.65,23.338) v1@21.65,23.7 ; v1@21.5,40.35 cw(c21.138,40.35) 21.394,40.094 cw(c21.65,39.838) v1@21.65,40.2 ; v1@21.5,56.85 cw(c21.138,56.85) 21.394,56.594 cw(c21.65,56.338) v1@21.65,56.7 ; v1@21.5,73.35 cw(c21.138,73.35) 21.394,73.094 cw(c21.65,72.838) v1@21.65,73.2 ; v1(54.5,5.65) 55.35,6.5 J6.4@56.15,6.5 ; v1@54.5,5.8 ccw(c54.5,6.162) 54.756,5.906 ccw(c55.012,5.65) v1@54.65,5.65 ; v1(54.5,22.15) 55.35,23 J6.4@56.15,23 ; v1@54.5,22.3 ccw(c54.5,22.662) 54.756,22.406 ccw(c55.012,22.15) v1@54.65,22.15 ; v1(54.5,38.65) 55.35,39.5 J6.4@56.15,39.5 ; v1@54.5,38.8 ccw(c54.5,39.162) 54.756,38.906 ccw(c55.012,38.65) v1@54.65,38.65 ; v1(54.5,55.15) 55.35,56 J6.4@56.15,56 ; v1@54.5,55.3 ccw(c54.5,55.662) 54.756,55.406 ccw(c55.012,55.15) v1@54.65,55.15 ; v1(54.5,71.65) 55.35,72.5 J6.4@56.15,72.5 ; v1@54.5,71.8 ccw(c54.5,72.162) 54.756,71.906 ccw(c55.012,71.65) v1@54.65,71.65 ; J6.4@60,6.5 60.8,6.5 v1(61.65,7.35) ; J6.4@60,23 60.8,23 v1(61.65,23.85) ; J6.4@60,39.5 60.8,39.5 v1(61.65,40.35) ; J6.4@60,56 60.8,56 v1(61.65,56.85) ; J6.4@60,72.5 60.8,72.5 v1(61.65,73.35) ; v1@61.5,7.35 cw(c61.138,7.35) 61.394,7.094 cw(c61.65,6.838) v1@61.65,7.2 ; v1@61.5,23.85 cw(c61.138,23.85) 61.394,23.594 cw(c61.65,23.338) v1@61.65,23.7 ; v1@61.5,40.35 cw(c61.138,40.35) 61.394,40.094 cw(c61.65,39.838) v1@61.65,40.2 ; v1@61.5,56.85 cw(c61.138,56.85) 61.394,56.594 cw(c61.65,56.338) v1@61.65,56.7 ; v1@61.5,73.35 cw(c61.138,73.35) 61.394,73.094 cw(c61.65,72.838) v1@61.65,73.2